# Altium PCB STM32MP25XXAK_LPDDR4_ascii.PcbDoc (part 3 of 5)
Units mm, origin at the board's own origin, x right, y up, seen from the top; angles counter-clockwise.
Board outline 120 x 79.6 mm, 4 copper layers (Top Layer, Signal Layer 1, Signal Layer 2, Bottom Layer), stack 1.614 mm thick; 190 components, 143 nets, 1208 pads, 757 vias.
Unrouted connection lines stored in the file: 3.
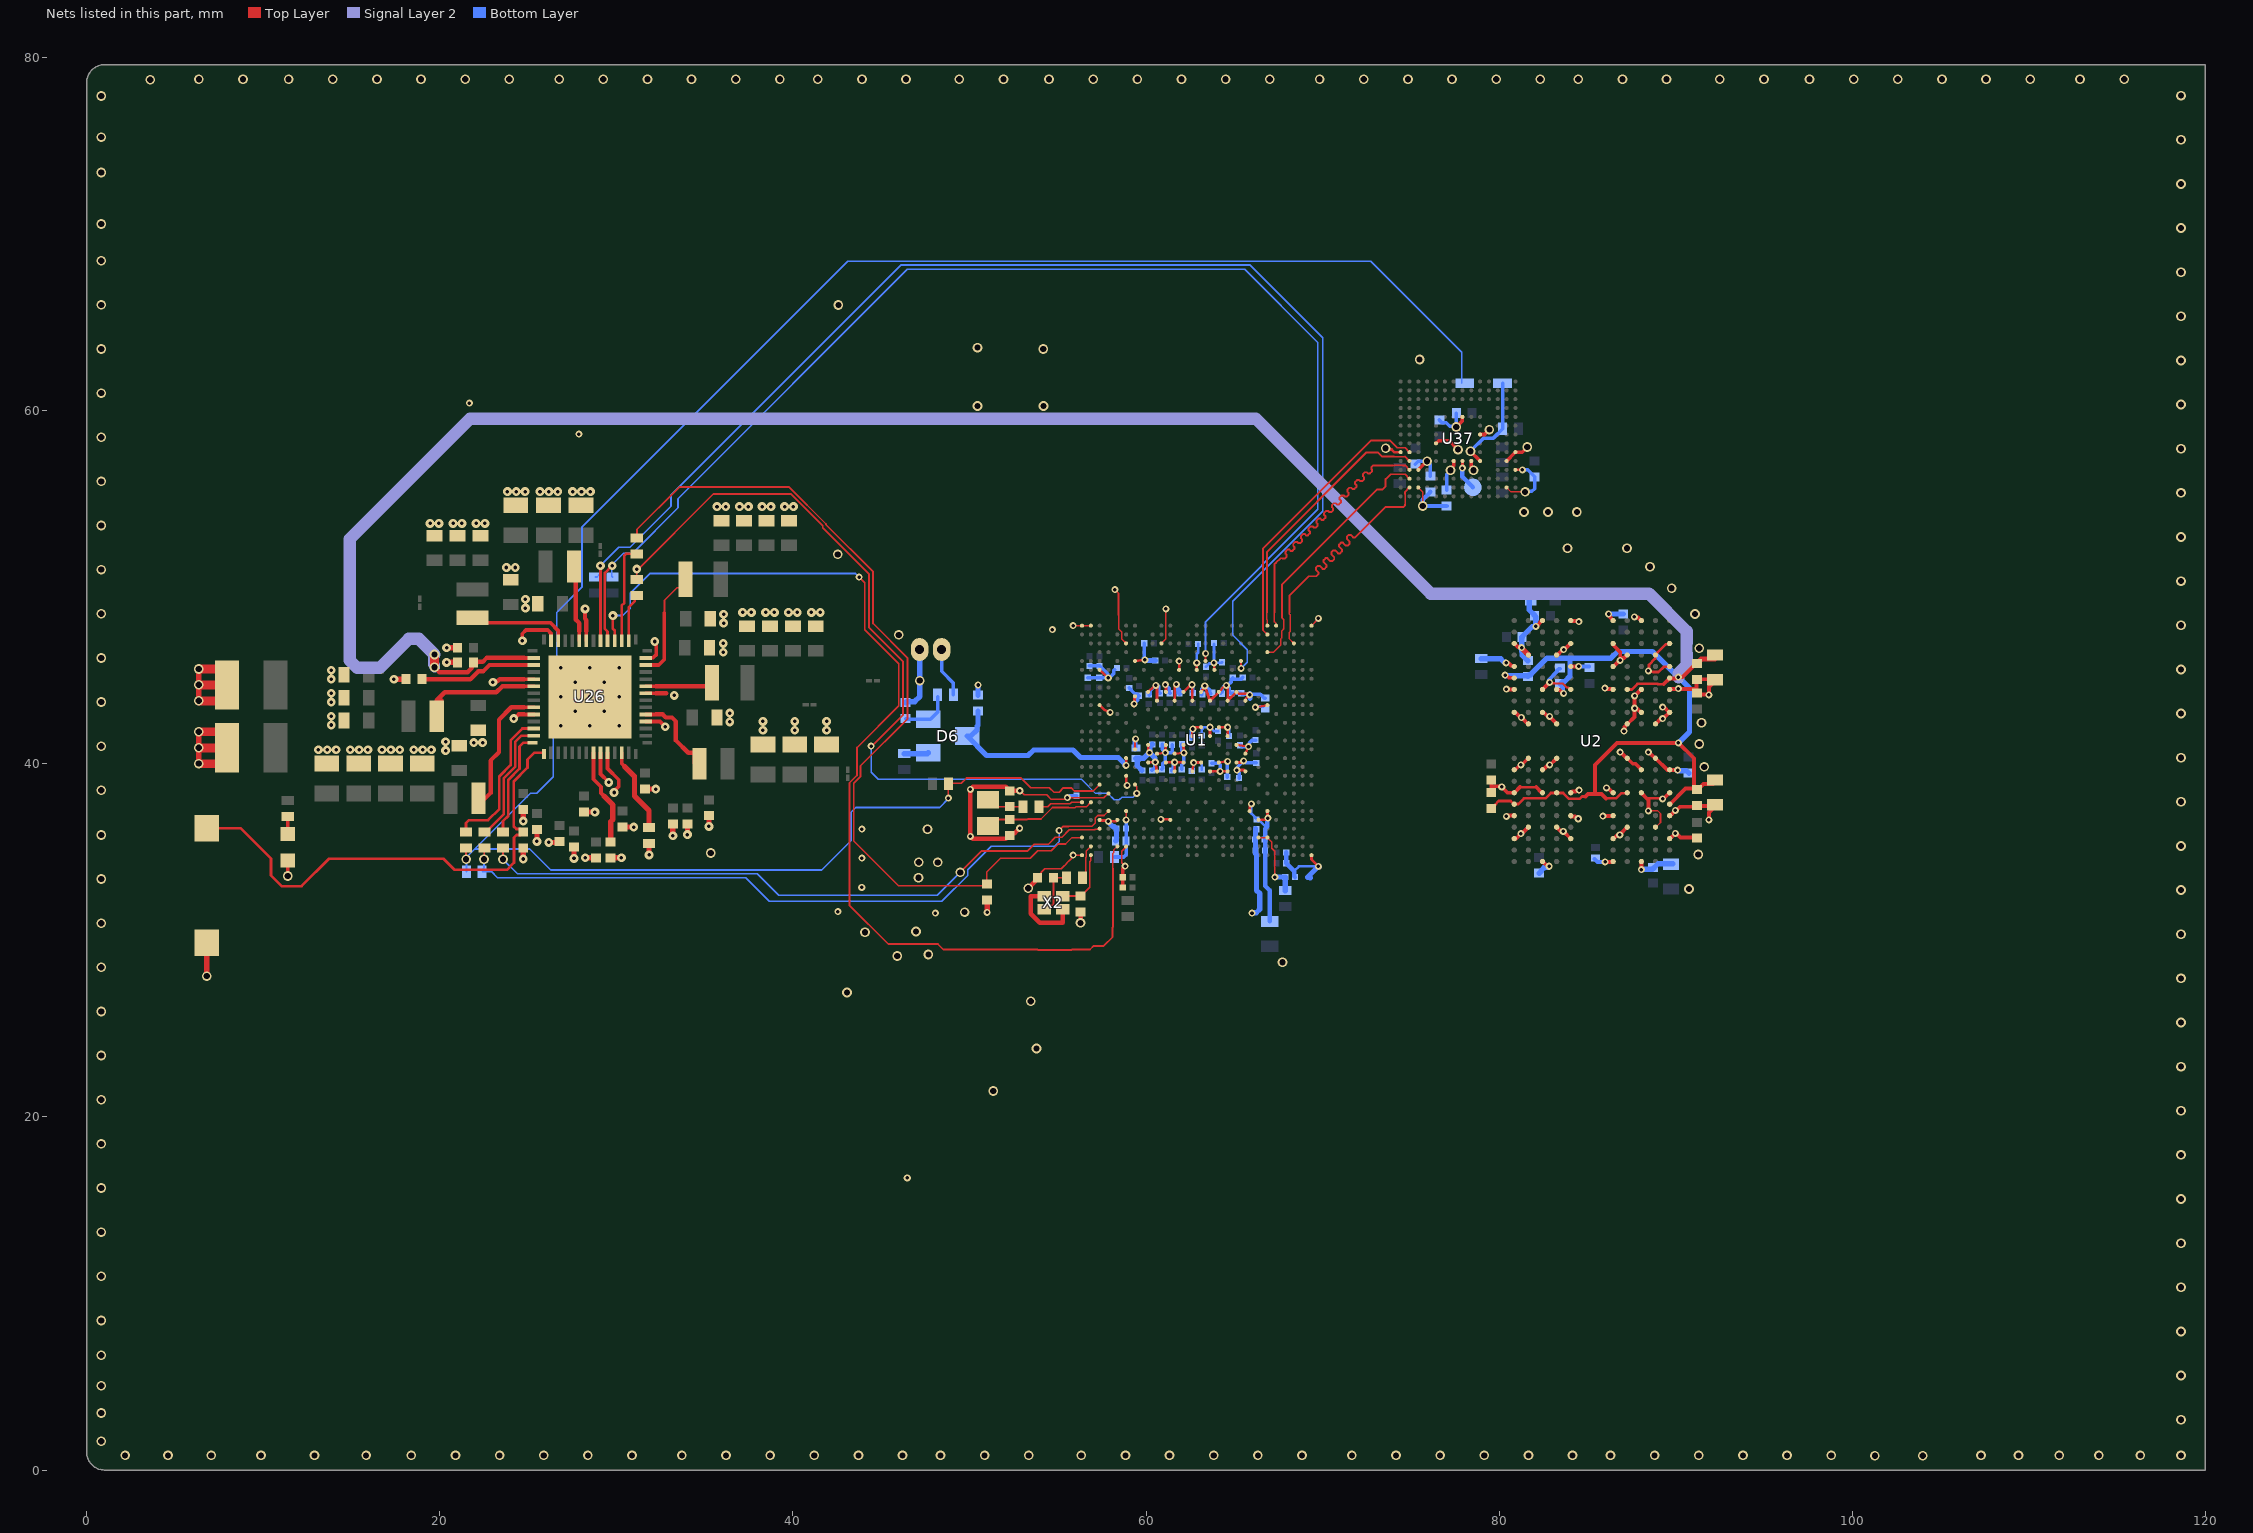
[diagram p4: the nets of this part, all layers, seen from the top]

## Via types
v1: diameter 0.55, hole 0.35, Top Layer to Bottom Layer, 277 vias
v2: diameter 0.4, hole 0.2, Top Layer to Bottom Layer, tented both sides, 229 vias
v3: diameter 0.5, hole 0.2, Top Layer to Bottom Layer, 146 vias
v4: diameter 0.4, hole 0.2, Top Layer to Bottom Layer, 105 vias

## Nets (pads, with @x,y where several pads share a name; then routed paths per layer and width w, separated by ;. In a path a pad name is that pad's centre, name@x,y a point inside that pad or via, vN(x,y) a via of type N, cw(c..) or ccw(c..) an arc to the next point about the centre after c; other vN are vias at no path point) (continued)
eMMC.SDMMC2_D3: U1.C25 U37.B2 | length 15.5
  Top Layer w0.09: 68.125,48.575 68.125,48.489 68.165,48.449 68.165,47.498 68.125,47.458 68.125,47.075 U1.C25@68.375,46.825 ; 74.675,54.705 74.675,55.273
  Top Layer w0.11: 68.125,48.575 68.125,49.525 69.225,50.625 69.647,50.625 69.723,50.702 69.762,50.741 69.762,50.85 69.621,50.991 69.621,51.101 69.731,51.211 69.84,51.211 70.004,51.046 70.114,51.046 70.224,51.156 70.224,51.266 70.059,51.43 70.059,51.539 70.169,51.649 70.279,51.649 70.443,51.485 70.552,51.485 70.662,51.594 70.662,51.704 70.498,51.868 70.498,51.978 70.607,52.087 70.717,52.087 70.881,51.923 70.991,51.923 71.1,52.033 71.1,52.142 70.936,52.307 70.936,52.416 71.046,52.526 71.155,52.526 71.32,52.362 71.429,52.362 71.539,52.471 71.539,52.581 71.375,52.745 71.375,52.855 71.484,52.964 71.594,52.964 71.735,52.823 71.845,52.823 71.887,52.865 73.582,54.56 74.596,54.56 74.675,54.639 74.675,54.705 ; 74.675,55.273 74.675,55.405 U37.B2@74.925,55.655
eMMC.SDMMC2_D4: U1.D22 U37.B3 | length 14.7
  Top Layer w0.09: U1.D22@66.902,46.352 U1.D22@66.875,46.325 67.229,46.325 67.625,46.721 67.625,47.075 67.7,47.15 67.7,47.541 67.805,47.647 67.805,48.17 67.7,48.275 ; 74.056,56.405 74.543,56.405
  Top Layer w0.11: 67.7,48.275 67.692,48.283 67.692,50.142 73.1,55.55 73.4,55.55 73.575,55.725 73.575,56.125 73.855,56.405 74.056,56.405 ; 74.543,56.405 74.675,56.405 U37.B3@74.925,56.155
eMMC.SDMMC2_D5: U1.A23 U37.B4 | length 17.3
  Top Layer w0.09: 67.267,48.575 67.267,48.055 67.349,47.973 67.349,47.851 U1.A23@67.375,47.825 ; 74.056,56.905 74.543,56.905
  Top Layer w0.11: 67.267,48.575 67.267,51.292 67.362,51.387 67.621,51.646 67.73,51.646 67.75,51.625 67.86,51.625 67.97,51.735 67.97,51.845 67.901,51.913 67.901,52.022 68.011,52.132 68.121,52.132 68.189,52.064 68.298,52.064 68.408,52.173 68.408,52.283 68.34,52.351 68.34,52.461 68.449,52.57 68.559,52.57 68.627,52.502 68.737,52.502 68.846,52.612 68.846,52.721 68.778,52.79 68.778,52.899 68.888,53.009 68.997,53.009 69.066,52.941 69.175,52.941 69.285,53.05 69.285,53.16 69.217,53.228 69.217,53.338 69.326,53.447 69.436,53.447 69.504,53.379 69.614,53.379 69.723,53.489 69.723,53.598 69.655,53.666 69.655,53.776 69.765,53.886 69.874,53.886 69.942,53.817 70.052,53.817 70.162,53.927 70.162,54.037 70.093,54.105 70.093,54.214 70.203,54.324 70.313,54.324 70.381,54.256 70.49,54.256 70.6,54.365 70.6,54.475 70.532,54.543 70.532,54.653 70.641,54.762 70.751,54.762 70.819,54.694 70.929,54.694 71.038,54.804 71.038,54.913 70.97,54.982 70.97,55.091 71.08,55.201 71.189,55.201 71.258,55.133 71.367,55.133 71.477,55.242 71.477,55.352 71.409,55.42 71.409,55.53 71.518,55.639 71.628,55.639 71.696,55.571 71.806,55.571 71.915,55.681 71.915,55.79 71.847,55.858 71.847,55.968 71.957,56.078 72.066,56.078 72.134,56.01 72.244,56.01 72.354,56.119 72.354,56.229 72.285,56.297 72.285,56.406 72.395,56.516 72.505,56.516 72.573,56.448 72.682,56.448 72.792,56.558 72.792,56.667 72.772,56.687 72.772,56.797 72.88,56.905 72.912,56.905 74.056,56.905 ; 74.543,56.905 74.675,56.905 U37.B4@74.925,56.655
eMMC.SDMMC2_D6: U1.A22 U37.B5 | length 14.8
  Top Layer w0.09: 66.847,48.356 66.847,48.176 66.875,48.148 U1.A22@66.875,47.825 ; 74.056,57.405 74.675,57.405
  Top Layer w0.096: 66.847,48.356 66.847,48.575
  Top Layer w0.11: 66.847,48.575 66.847,51.997 72.49,57.64 73.14,57.64 73.375,57.405 74.056,57.405 ; 74.675,57.405 U37.B5@74.925,57.155
eMMC.SDMMC2_D7: U1.B22 U37.B6 | length 16.1
  Top Layer w0.09: 66.625,48.575 66.625,47.575 U1.B22@66.875,47.325 ; 74.307,57.905 74.543,57.905
  Top Layer w0.11: 66.625,48.575 66.625,52.197 72.738,58.31 73.836,58.31 74.241,57.905 74.307,57.905 ; 74.543,57.905 74.675,57.905 U37.B6@74.925,57.655
GND: B2.1 C2.1 C3.1 C4.2 C5.2 C6.2 C7.2 C8.2 C9.1 C10.1 C11.1 C12.2 C13.2 C14.2 C15.2 C16.2 C17.2 C18.2 C19.2 C20.2 C21.2 C22.1 C23.1 C24.1 C26.1 C27.1 C28.1 C29.1 C30.1 C32.1 C33.1 C34.1 C35.1 C36.1 C37.1 C38.1 C39.1 C40.1 C41.1 C42.2 C43.1 C44.2 C45.1 C46.1 C47.2 C48.1 C49.1 C50.1 C51.1 C52.1 C53.1 C54.1 C55.1 C56.1 C57.1 C58.1 C59.1 C60.1 C61.1 C62.2 C63.1 C64.1 C65.2 C66.1 C67.1 C68.1 C69.1 C70.2 C71.1 C72.1 C73.2 C74.1 C75.1 C76.1 C77.2 C81.2 C82.1 C83.1 C86.2 C87.1 C88.1 C90.1 C91.2 C92.2 C117.1 C118.1 C128.1 C130.1 C147.2 C148.1 C151.1 C183.1 C184.1 C185.1 C186.1 C187.1 C188.1 C189.1 C190.2 C192.1 C193.1 C194.1 C195.1 C196.1 C197.1 C198.1 C199.1 C200.1 C201.1 C202.1 C203.1 C204.1 C205.1 C206.1 C207.1 C208.2 C209.1 C213.1 C214.2 C215.2 C216.1 C217.2 C219.1 C220.1 C225.1 C234.1 C235.1 C236.1 C237.1 C238.1 C239.1 C240.1 C244.1 C246.1 C248.1 C250.1 C251.1 C252.1 C253.1 C260.1 CN12.2 LD11.2 R1.1 R42.1 R57.1 U1.1A1 U1.1A3 U1.1A5 U1.1A7 U1.1A9 U1.1A11 U1.1B2 U1.1B4 U1.1B6 U1.1B8 U1.1B10 U1.1B12 U1.1E7 U1.1E9 U1.1F6 U1.1F8 U1.1F10 U1.1G1 U1.1G3 U1.1G5 U1.1G11 U1.1H2 U1.1H4 U1.1H12 U1.1J1 U1.1J3 U1.1J5 U1.1J7 U1.1J9 U1.1J11 U1.1K2 U1.1K4 U1.1K6 U1.1K8 U1.1K10 U1.1K12 U1.A1 U1.A2 U1.A27 U1.AC3 U1.AC5 U1.AC11 U1.AF6 U1.AG1 U1.AG27 U1.C6 U1.C10 U1.E7 U1.F3 U1.F12 U1.F14 U1.F16 U1.J7 U1.K3 U1.V6 U1.Y4 U2.A3 U2.A10 U2.AB3 U2.AB5 U2.AB8 U2.AB10 U2.C1 U2.C5 U2.C8 U2.C12 U2.D2 U2.D4 U2.D9 U2.D11 U2.E1 U2.E5 U2.E8 U2.E12 U2.G1 U2.G3 U2.G5 U2.G8 U2.G10 U2.G12 U2.J1 U2.J3 U2.J10 U2.J12 U2.K2 U2.K4 U2.K9 U2.K11 U2.N2 U2.N4 U2.N9 U2.N11 U2.P1 U2.P3 U2.P10 U2.P12 U2.T1 U2.T3 U2.T5 U2.T8 U2.T10 U2.T12 U2.V1 U2.V5 U2.V8 U2.V12 U2.W2 U2.W4 U2.W9 U2.W11 U2.Y1 U2.Y5 U2.Y8 U2.Y12 U26.9 U26.10 U26.18 U26.22 U26.27 U26.36 U26.41 U26.47 U26.52 U26.57 U37.A6 U37.C4 U37.E7 U37.G5 U37.H10 U37.J5 U37.K8 U37.N2 U37.N5 U37.P4 U37.P6 X2.2 X2.4 | length 235.9
  Top Layer w0.09: v2(55.55,38.085) 55.565,38.07 56.266,38.07 56.271,38.075 57.612,38.075 57.862,38.325 U1.Y4@57.875,38.325 ; U1.A1@56.375,47.825 U1.A2@56.875,47.825 ; 58.445,48.418 58.445,47.647 58.625,47.467 58.625,47.075 U1.C6@58.875,46.825 ; v2(58.816,34.213) 58.625,34.404 58.625,35.05 58.875,35.3 U1.AF6@58.875,35.325 ; U1.C10@60.875,46.825 61.125,47.075 v2(61.125,48.775) ; U37.N2@80.425,55.655 80.675,55.405 v1(81.475,55.405) ; U2.T10@82.459,44.194 U2.T10@82.459,44.207 ; v4@82.859,44.607 82.859,44.619 v4@82.937,44.619 ; v4@86.859,40.669 86.872,40.669 v4@86.884,40.669 ; U2.K4@87.234,40.319 U2.K4@87.259,40.319 ; v4@88.459,37.344 88.467,37.352 88.976,37.352 89.145,37.183 89.145,36.68 U2.D2@88.859,36.394
  Top Layer w0.1: v2(52.85,38.475) 52.882,38.475 53.114,38.244 54.372,38.244 54.622,37.994 55.458,37.994 v2(55.55,38.085) ; v1@53.243,33.041 v1(53.329,32.955) ; C92.2@53.859,33.546 53.859,33.648 54.264,34.053 55.189,34.053 55.279,34.144 55.291,34.144 55.496,34.349 55.496,34.361 55.77,34.635 55.77,34.639 55.875,34.744 v2(55.875,34.825) U1.AG1@56.375,34.825 ; v2(55.875,47.825) U1.A1@56.375,47.825 ; v2(58.24,49.865) 58.445,49.66 58.445,48.418 ; U1.A27@69.375,47.825 69.762,48.213 v2(69.762,48.238) ; v4(83.66,46.465) 83.685,46.465 v4@83.723,46.503 ; U2.Y8@84.035,46.815 U2.Y8@84.06,46.815 ; U2.V8@84.06,45.515 84.064,45.519 U2.V8@84.084,45.519 ; v4@84.505,45.519 v4(84.509,45.523)
  Top Layer w0.125: v4@82.974,44.57 83.12,44.57 83.144,44.545 83.616,44.545 83.835,44.326 83.9,44.326 84.018,44.208 U2.T8@84.018,44.194
  Top Layer w0.15: U1.AC3@57.375,36.825 57.41,36.79 57.795,36.79 57.845,36.74 v2(57.872,36.74) 58.29,36.74 U1.AC5@58.375,36.825 ; U1.K3@57.375,43.325 57.643,43.057 v2(57.966,42.92) ; U1.F3@57.375,45.325 v2(57.862,44.875) ; U1.V6@58.875,39.325 58.875,38.893 58.925,38.843 v2(58.925,38.775) ; v2@59.325,43.275 59.35,43.3 59.35,43.613 ; v2(59.325,43.4) 59.35,43.613 ; U1.E7@59.375,45.825 v2(59.931,45.892) ; U1.J7@59.388,43.812 U1.J7@59.375,43.825 ; U1.1J1@60.125,40.075 v2(60.525,40.1) U1.1K2@60.625,39.575 ; U1.1G1@60.125,41.075 60.125,40.778 60.198,40.705 v2(60.198,40.638) ; U1.1A1@60.125,44.075 60.442,44.392 60.481,44.392 60.531,44.442 v2@60.555,44.442 ; v2(60.558,44.442) v2@60.555,44.442 ; U1.1H2@60.625,40.575 v2(61.092,40.638) U1.1G3@61.125,41.075 ; U1.1B2@60.625,43.575 60.625,44.371 v2@60.555,44.442 ; v2(60.841,36.854) 61.289,36.854 61.303,36.84 61.36,36.84 U1.AC11@61.375,36.825 ; U1.1J3@61.125,40.075 v2(61.625,40.089) ; U1.1A3@61.125,44.075 61.132,44.082 v2@61.132,44.466 ; U1.1K4@61.625,39.575 v2(61.625,40.089) ; U1.1H4@61.625,40.575 v2(62.15,40.625) U1.1G5@62.125,41.075 ; U1.1B4@61.625,43.575 61.625,44.405 v2(61.725,44.505) ; U1.F12@61.875,45.325 v2(61.875,45.825) ; U1.1J5@62.125,40.075 v2(61.625,40.089) ; U1.1A5@62.125,44.075 62.496,44.446 62.571,44.446 62.625,44.5 U1.1B6@62.625,43.575 ; U1.1K6@62.625,39.575 v2(62.7,40.075) U1.1J7@63.125,40.075 ; U1.1F6@62.625,41.575 62.625,41.95 v2(62.65,41.975) ; v2@62.657,41.975 62.718,41.975 62.818,42.075 U1.1E7@63.125,42.075 ; U1.F14@62.875,45.325 v2(62.875,45.725) ; U1.1A7@63.125,44.075 v2(63.328,44.412) U1.1B8@63.625,43.575 U1.1A9@64.125,44.075 64.448,44.398 64.538,44.398 64.586,44.446 64.625,44.407 U1.1B10@64.625,43.575 U1.1A11@65.125,44.075 65.147,44.075 65.25,43.972 65.818,43.972 65.865,43.925 65.865,43.894 65.64,43.669 65.64,43.59 U1.1B12@65.625,43.575 ; U1.1K8@63.625,39.575 v2(64.198,39.575) U1.1K10@64.625,39.575 ; U1.1F8@63.625,41.575 v2(63.625,42.075) ; v2@63.853,45.725 U1.F16@63.875,45.325 ; U1.1E9@64.125,42.075 v2(64.625,42.075) U1.1F10@64.625,41.575 ; U1.1G11@65.125,41.075 v2(65.806,40.972) U1.1H12@65.625,40.575 ; U1.AG27@69.375,34.825 69.375,34.59 v2(69.768,34.197) ; v1(73.575,57.875) 73.646,57.804 73.911,57.804 74.056,57.66 74.42,57.66 U37.A6@74.425,57.655 ; U37.P4@80.925,56.655 v2(81.325,56.655) ; 81.193,38.681 81.527,38.681 81.531,38.684 81.791,38.684 81.795,38.681 82.106,38.681 ; v4@82.937,44.619 82.937,44.609 82.974,44.572 v4@82.974,44.57 ; U2.T8@84.018,44.194 U2.T8@84.059,44.194 ; 88.348,38.055 88.724,38.055 88.729,38.05 89.228,38.05 v4@89.259,38.019 ; U2.W2@88.859,46.169 88.859,46.196 89.433,46.77 89.562,46.77 U2.Y1@89.608,46.816 ; U2.W2@88.86,46.168 88.843,46.151 88.843,45.957 88.495,45.609 88.495,45.298 88.45,45.253 88.486,45.217 88.711,45.217 88.729,45.2 89.033,45.2 89.334,45.501 U2.V1@89.652,45.501 ; 59.35,43.613 59.35,43.825 U1.J7@59.375,43.825 ; 59.35,43.613 U1.J7@59.375,43.825
  Top Layer w0.16: U1.1J9@64.125,40.075 v2(64.625,40.143) ; U1.1J11@65.125,40.075 65.435,40.075 v2(65.53,40.17) ; v2(65.15,39.65) 65.55,39.65 U1.1K12@65.625,39.575
  Top Layer w0.2: v1@11.386,33.645 LD11.2@11.386,34.522 ; U26.27@31.67,46 32.079,46 32.27,46.191 32.27,46.91 v3@32.316,46.956 ; v3(32.17,46.93) v3@32.227,46.873 ; C248.1@58.683,33.002 C250.1@58.683,33.572 58.683,34.08 v2(58.816,34.213) ; U37.C4@75.425,56.655 75.875,57.105 75.885,57.105 v1(75.925,57.145) ; U37.E7@76.425,58.155 76.575,58.305 77.17,58.305 v1(77.675,57.8) ; v1(77.25,56.63) 77.25,56.718 77.425,56.893 U37.G5@77.425,57.155 ; v1(77.575,59.08) 77.925,59.43 U37.H10@77.925,59.655 ; U37.J5@78.425,57.155 78.425,56.85 78.55,56.725 v1(78.55,56.63) ; U37.K8@78.925,58.655 79.175,58.655 v1(79.45,58.93) ; U37.N5@80.425,57.155 U37.P6@80.925,57.655 81.305,57.655 v1(81.6,57.95) ; U2.J12@80.86,39.665 80.914,39.665 81.164,39.915 81.247,39.915 81.648,40.315 U2.K11@81.66,40.315
  Top Layer w0.21: v3(24.675,46.975) 24.675,47.375 24.88,47.58 26.109,47.58 26.3,47.389 U26.41@26.3,46.97 ; 24.775,42.8 U26.52@25.33,42.8 ; 24.775,44.8 U26.47@25.33,44.8 ; U26.36@28.3,46.97 28.3,47.525 ; U26.9@29.1,40.63 29.1,39.42 v3(29.568,38.952) ; U26.10@29.5,40.63 29.5,39.734 30.135,39.099 30.135,38.72 29.87,38.456 v3(29.87,38.377) ; U26.18@31.67,42.4 32.472,42.4 v3(32.772,42.1) ; U26.22@31.67,44 32.225,44
  Top Layer w0.22: C5.2@79.559,38.379 79.559,38.73 ; C13.2@79.559,39.08 79.559,38.73 ; v4@80.151,38.625 v4@80.2,38.625 ; v4(80.4,45.719) 80.527,45.719 80.693,45.554 80.765,45.554 80.788,45.53 80.85,45.53 U2.V12@80.86,45.521 ; v4@80.41,37.025 80.45,37.065 U2.E12@80.86,37.065 ; v4@80.425,44.215 U2.T12@80.86,44.215 ; U2.G12@80.83,38.38 U2.G12@80.845,38.365 ; U2.G12@80.854,38.356 U2.G12@80.845,38.365 ; U2.P12@80.859,42.894 80.874,42.879 80.949,42.879 81.149,42.679 81.17,42.679 81.293,42.556 81.293,42.535 81.347,42.535 81.637,42.244 U2.N11@81.659,42.244 ; U2.C12@80.86,35.765 80.875,35.78 80.975,35.78 v4(81.24,36.045) 81.288,36.045 U2.D11@81.658,36.415 ; U2.G12@80.86,38.365 U2.G12@80.845,38.365 ; U2.Y12@80.86,46.815 80.882,46.815 81.073,46.623 81.236,46.623 v4(81.271,46.589) ; U2.G12@80.87,38.36 81.19,38.681 81.193,38.681 ; v4(82.085,47.79) 82.113,47.79 82.438,48.115 U2.AB10@82.46,48.115 ; 82.106,38.681 82.378,38.409 82.399,38.409 82.452,38.356 U2.G10@82.456,38.356 ; U2.A10@82.459,34.444 82.465,34.45 82.496,34.45 82.716,34.229 82.799,34.229 v4@82.833,34.195 ; U2.J10@82.459,39.644 82.481,39.644 82.721,39.885 82.825,39.885 82.859,39.919 82.872,39.919 83.247,40.294 U2.K9@83.259,40.294 ; U2.P10@82.459,42.894 82.474,42.879 82.557,42.879 82.842,42.594 v4@82.897,42.594 ; U2.T10@82.459,44.207 v4@82.859,44.607 ; v4(82.86,42.69) 82.859,42.677 83.259,42.278 U2.N9@83.259,42.265 ; U2.W9@83.259,46.144 83.281,46.144 83.571,46.435 83.625,46.435 83.693,46.503 v4@83.723,46.503 ; U2.D9@83.26,36.415 83.5,36.175 v4(83.635,36.175) ; v4@83.641,36.175 U2.C8@84.059,35.756 ; v4@83.747,46.503 v4@83.723,46.503 ; U2.Y8@84.035,46.815 v4@83.723,46.503 ; U2.E8@84.059,37.044 84.074,37.029 84.301,37.029 84.435,36.894 v4@84.484,36.894 ; U2.G8@84.059,38.365 84.081,38.365 84.16,38.444 84.336,38.444 84.372,38.481 84.497,38.481 v4@84.534,38.444 ; U2.AB8@84.06,48.115 84.075,48.1 84.421,48.1 84.466,48.054 v4(84.515,48.054) ; U2.V8@84.072,45.507 U2.V8@84.084,45.519 ; U2.V8@84.088,45.523 U2.V8@84.084,45.519 ; v4@84.505,45.519 U2.V8@84.084,45.519 ; v4@85.885,37.04 85.891,37.046 86.384,37.046 86.388,37.05 86.445,37.05 U2.E5@86.46,37.065 ; v4(85.99,44.285) 86.039,44.285 86.093,44.23 86.445,44.23 U2.T5@86.46,44.215 ; v4(86.085,38.64) 86.118,38.606 86.197,38.606 U2.G5@86.446,38.356 ; v4(86.21,48.489) 86.244,48.455 86.244,48.352 86.46,48.137 U2.AB5@86.46,48.115 ; U2.C5@86.459,35.744 86.461,35.744 86.663,35.946 86.791,35.946 U2.D4@87.26,36.415 ; U2.V5@86.46,45.515 86.482,45.515 86.832,45.865 v4(86.86,45.865) v4@86.86,45.988 ; U2.Y5@86.46,46.815 86.475,46.8 86.475,46.716 86.86,46.331 v4@86.86,45.988 ; v4@86.8,35.946 v4(86.835,35.981) ; v4@86.872,40.669 87.247,40.294 U2.K4@87.259,40.294 ; v4(87.075,41.85) 87.109,41.884 87.109,42.093 U2.N4@87.26,42.243 ; U2.K4@87.259,40.315 87.57,40.004 87.72,40.004 U2.J3@88.059,39.665 ; U2.N4@87.26,42.265 U2.N4@87.26,42.243 ; U2.W4@87.26,46.165 87.083,45.988 v4@86.86,45.988 ; v4(87.661,48.325) 87.695,48.291 87.863,48.291 88.038,48.115 U2.AB3@88.06,48.115 ; v4@87.678,43.153 87.715,43.116 87.838,43.116 88.038,42.915 U2.P3@88.06,42.915 ; v4@88.059,33.994 U2.A3@88.059,34.444 ; U2.G3@88.059,38.344 88.348,38.055 88.459,37.944 v4@88.459,37.344 ; U2.T3@88.06,44.215 88.04,44.215 v4(87.675,43.85) v4(87.675,43.15) 87.675,42.658 U2.N4@87.26,42.243 ; v4@88.459,40.669 88.472,40.669 88.847,40.294 U2.K2@88.859,40.294 ; U2.N2@88.859,42.244 89.15,42.535 89.225,42.535 v4@89.259,42.569 ; U2.K2@88.86,40.315 89.531,39.644 89.659,39.644 v4@90.109,39.644 ; v4@89.259,38.019 89.293,38.053 89.347,38.053 89.637,38.344 U2.G1@89.659,38.344 ; v4@89.259,43.219 89.334,43.219 U2.P1@89.638,42.915 ; v4(89.26,42.565) 89.288,42.565 U2.P1@89.638,42.915 ; U2.C1@89.659,35.744 89.954,36.039 v4@89.954,36.147 ; U2.E1@89.659,37.044 89.672,37.044 89.972,37.344 90.033,37.344 90.258,37.569 C7.2@91.159,37.569 ; U2.P1@89.659,42.894 U2.P1@89.638,42.915 ; U2.T1@89.659,44.194 U2.T1@89.681,44.194 ; U2.T1@89.659,44.244 90.16,44.244 C14.2@91.184,44.244 ; U2.P1@89.66,42.915 U2.P1@89.638,42.915 ; v4@90.033,36.069 90.033,36.066 90.068,36.031 90.071,36.031 90.283,35.819 C15.2@91.159,35.819 ; C7.2@91.159,37.694 C7.2@91.247,37.607 ; C7.2@91.245,37.606 92.095,37.606 C3.1@92.183,37.519 ; C14.2@91.263,43.939 91.85,43.939 v4(91.884,43.905) 91.899,43.92 91.899,44.36 92.083,44.544 91.833,44.794 91.184,44.794 C14.2@91.184,44.244 ; C14.2@91.264,43.939 91.184,44.019 C14.2@91.184,44.244 ; v4(91.884,36.829) 91.899,36.845 91.899,37.255 92.138,37.494 92.233,37.494 C3.1@92.208,37.519 ; 79.559,38.73 80.121,38.73 v4(80.15,38.7) 80.485,38.365 U2.G12@80.845,38.365
  Top Layer w0.25: v3(23.008,44.625) 23.056,44.673 23.257,44.673 23.384,44.8 24.775,44.8 ; v3(24.187,42.563) 24.221,42.563 24.459,42.8 24.775,42.8 ; v3(28.225,48.775) 28.225,48.214 28.3,48.139 28.3,47.525 ; 32.225,44 32.83,44 ; v3@32.757,42.1 v3(32.772,42.1) ; v2(52.841,36.352) 52.569,36.08 52.415,36.08 C86.2@52.285,35.95 52.26,35.95 52.061,35.75 50.196,35.75 v2(50.05,35.897) v2(50.05,38.554) 50.196,38.7 52.06,38.7 C81.2@52.285,38.475 v2(52.85,38.475) ; v1(53.329,32.955) 53.729,33.355 53.729,33.416 C92.2@53.859,33.546 ; X2.2@54.234,32.51 53.467,32.51 53.467,31.513 53.987,30.993 55.284,30.993 X2.4@55.284,31.76 ; v1(56.293,30.993) C90.1@56.293,31.61
  Top Layer w0.3: v1@6.347,40.012 v1@6.347,41.812 ; v1@6.347,43.574 v1@6.347,45.374 ; B2.1@6.795,29.854 6.795,27.98 v1(6.8,27.975) ; v3(17.395,44.79) C43.1@18.055,44.79 ; v3(20.385,45.75) C40.1@20.995,45.75 ; v3(20.385,46.575) C39.1@20.995,46.575 ; v3@24.725,36.81 C217.2@24.725,37.42 ; v3@24.727,34.58 C219.1@24.727,35.185 ; v3(25.5,35.61) C216.1@25.5,36.215 ; v3(26.165,35.55) C215.2@26.775,35.55 ; v3@27.6,34.69 C214.2@27.6,35.3 ; C213.1@28.175,37.27 v3(28.785,37.27) ; v3(28.24,34.68) C91.2@28.85,34.68 ; C208.2@29.675,34.68 v3(30.285,34.68) ; C209.1@30.35,36.42 v3(30.985,36.42) ; C61.1@31.625,38.57 v3(32.235,38.57) ; v3(31.85,34.84) R57.1@31.85,35.5 ; v3(33.2,35.93) C189.1@33.2,36.59 ; v3(34.025,35.99) C188.1@34.025,36.59 C188.1@34.025,36.65 ; v3(35.245,36.46) 35.248,36.462 35.248,37.062 C190.2@35.25,37.065 ; v2@50.979,31.565 v2(51,31.586) C33.1@51,32.3 ; v4(80.41,44.23) v4@80.425,44.215 ; v4(81.271,46.589) 81.271,46.562 81.66,46.173 U2.W11@81.66,46.165